# Altium PCB IMX93EVK-SOM_Only-BGA-Fanouts_PrePlaced.PcbDoc (part 1 of 4) (continued)
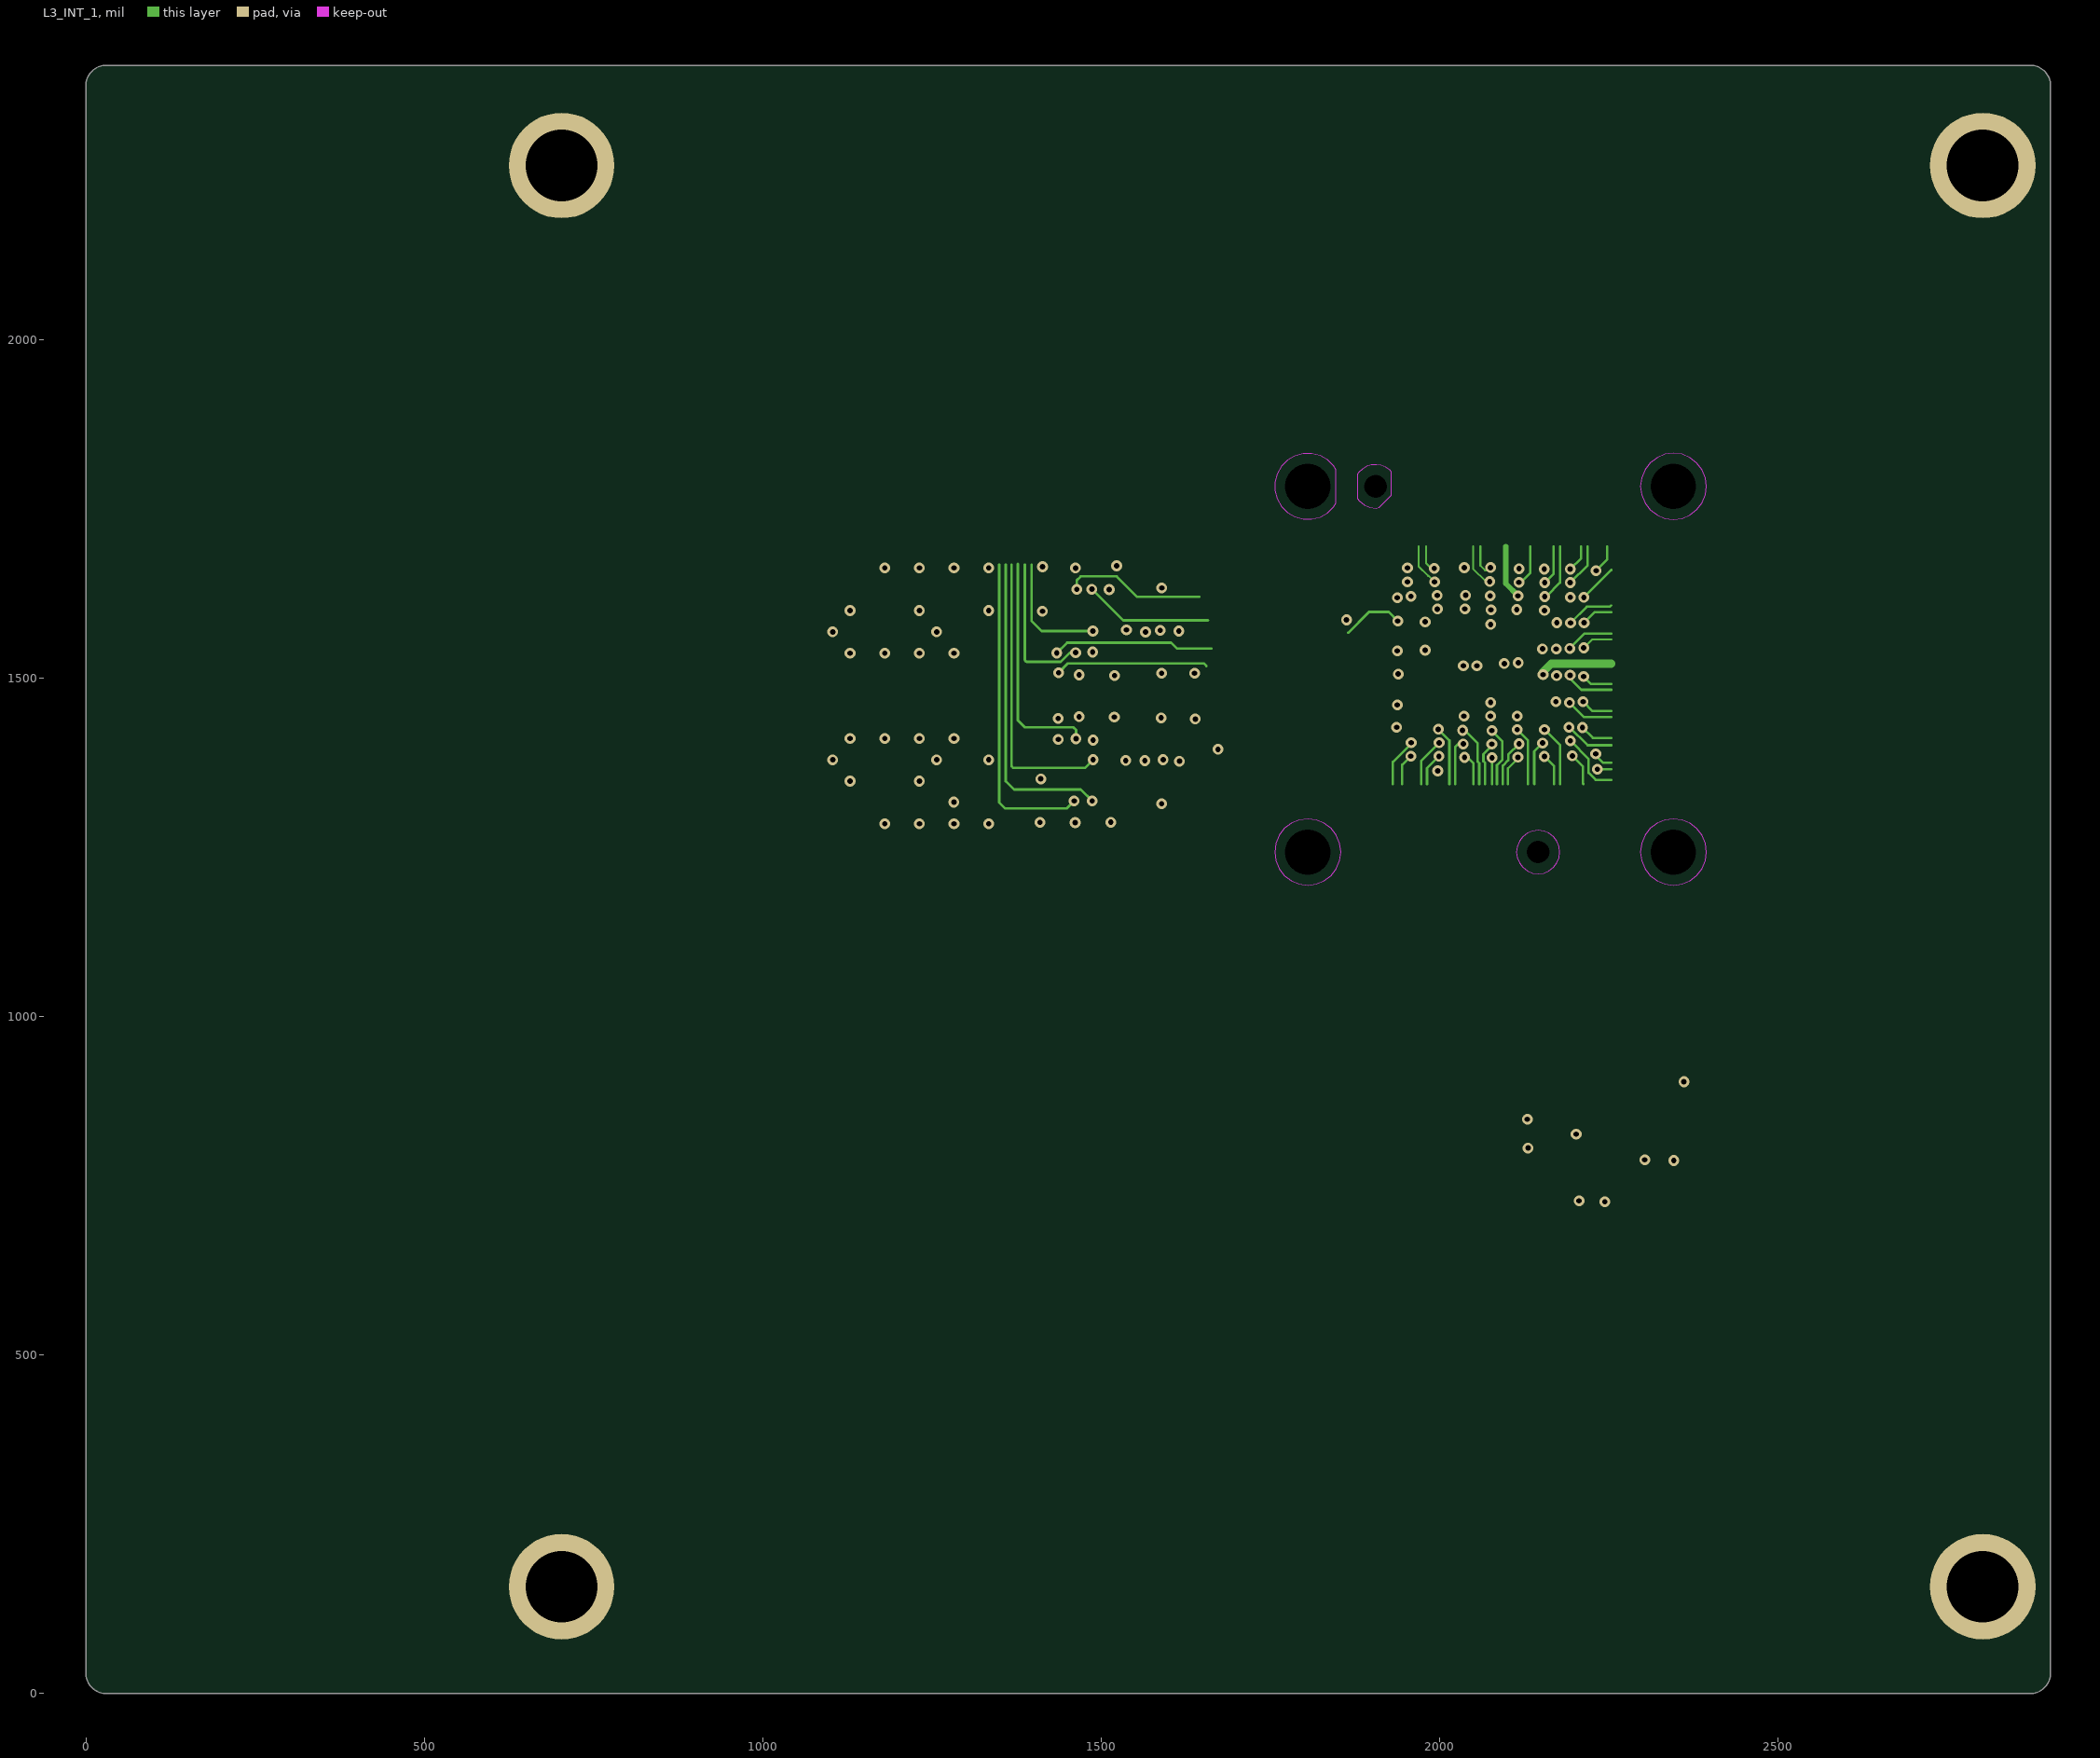
[diagram p3: L3_INT_1]
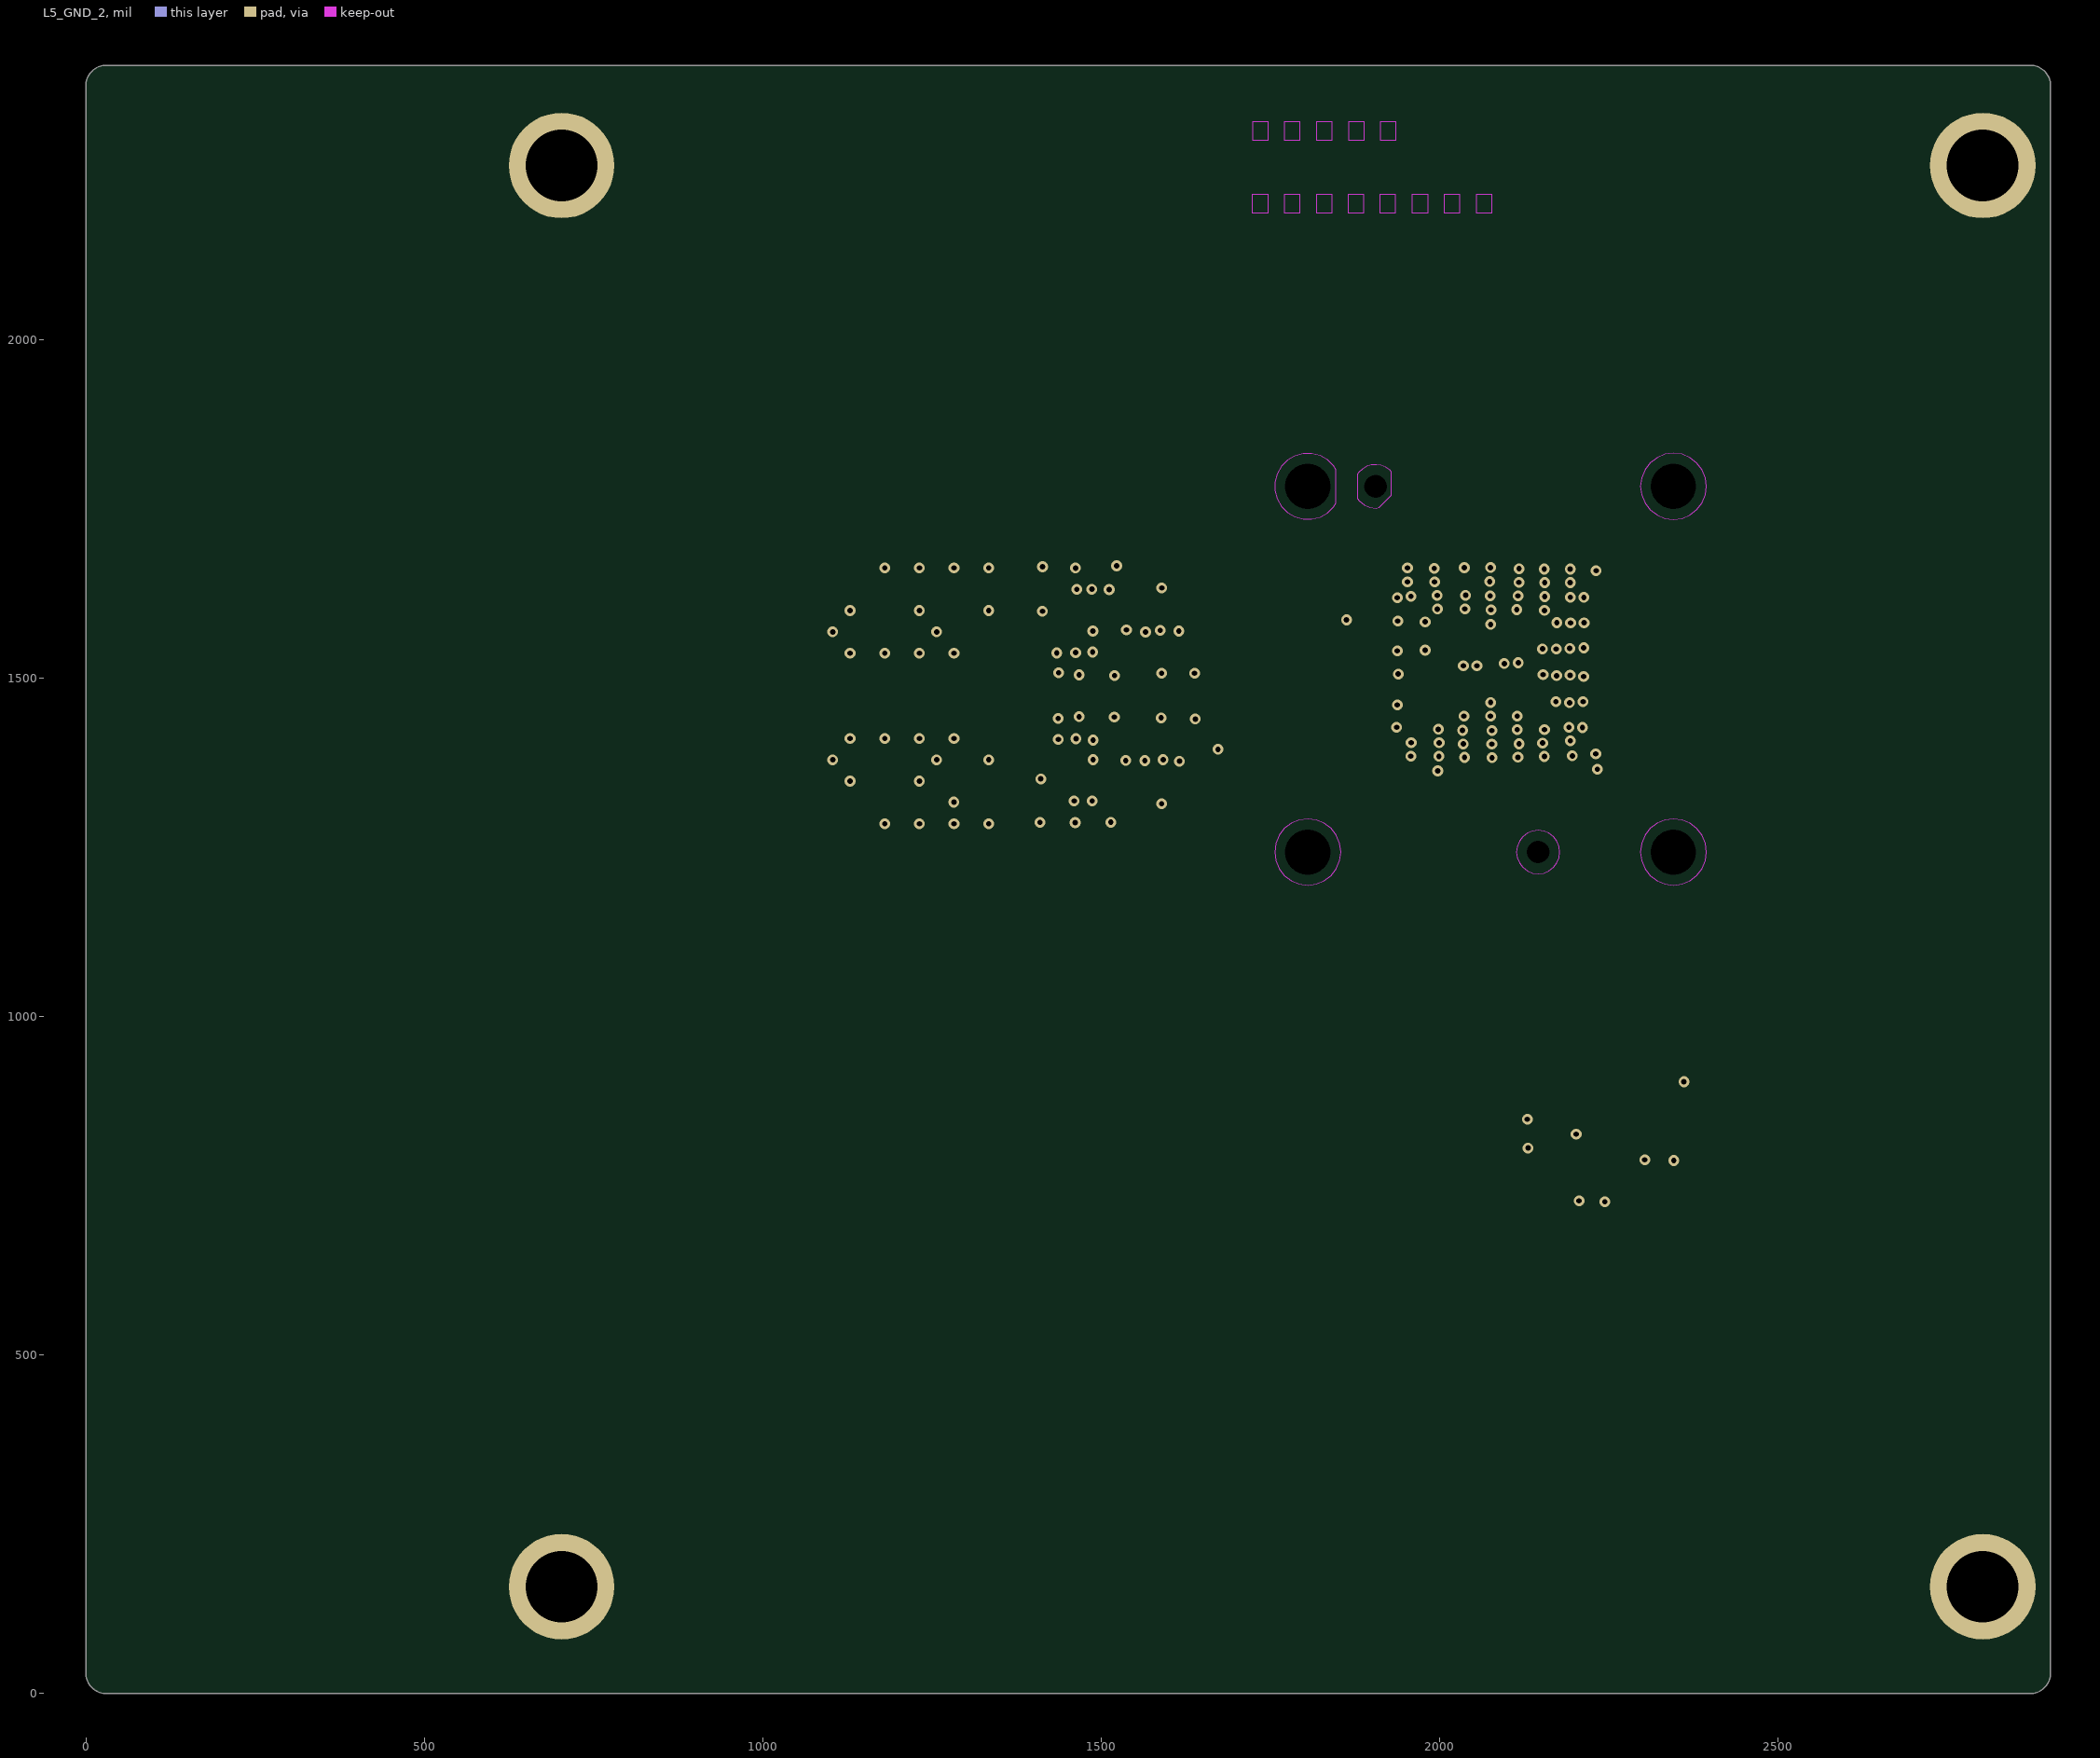
[diagram p4: L5_GND_2]

## Layer stack, top to bottom
Top Solder: solder mask 1, Solder Resist, Dk 3.5
TOP: signal copper 0.472
Dielectric 1: prepreg 2.8, TU768, Dk 3.49
L2_GND_1: signal copper 1.2
Dielectric2: core 3, FR-4, Dk 3.97
L3_INT_1: signal copper 1.2
Dielectric3: prepreg 42.9, TU768, Dk 4.15
L4_PWR: signal copper 1.2
Dielectric4: core 3, FR-4, Dk 3.97
L5_GND_2: signal copper 1.2
Dielectric5: prepreg 2.8, TU768, Dk 3.49
BOTTOM: signal copper 0.472
Bottom Solder: solder mask 1, Solder Resist, Dk 3.5

## Board outline
0,30.51 0,2375.89 cw(c29.95,2375.89) 29.95,2405.84 2873.56,2405.84 cw(c2873.56,2376.35) 2903.05,2376.35 2903.05,30.05 cw(c2873,30.05) 2873,0 30.51,0 cw(c30.51,30.51)

## Design rules (kind name [scope] priority, off if disabled: settings)
Clearance Clearance_Comp_Keepouts [All vs (IsKeepout and InAnyComponent) or (IsKeepout and (OnLayer('L2_GND_1') or OnLayer('L5_GND_2')))] p1: gap=0 ignorepadtopadclearanceinfootprint=TRUE
Clearance Clearance_BGA [WithinRoom('Room_IMX93') or WithinRoom('Room_DDR4_IO') or WithinRoom('Room_EMMC_IO') or TouchesRoom('Room_IMX93') or TouchesRoom('Room_DDR4_IO') vs Not (IsKeepOut and IsComponentPrimitive)] p2: gap=4 ignorepadtopadclearanceinfootprint=FALSE except(3: Arc-Arc Arc-Track Arc-SMDPad Arc-THPad Arc-Via Arc-Fill Arc-Poly Arc-Region Track-Track Track-SMDPad Track-THPad Track-Via Track-Fill Track-Poly Track-Region SMDPad-SMDPad SMDPad-THPad SMDPad-Via SMDPad-Fill SMDPad-Poly SMDPad-Region; 5: Fill-Fill Fill-Poly Fill-Region Poly-Poly Poly-Region Region-Region)
Clearance [All] p3: gap=4 ignorepadtopadclearanceinfootprint=FALSE except(5: Fill-Fill Fill-Poly Fill-Region Poly-Poly Poly-Region Region-Region)
DiffPairsRouting [All] p1: maxlimit=10 minlimit=10 mostfreqgap=10 toplayer_minwidth=15 toplayer_maxwidth=15 toplayer_prefwidth=15 midlayer1_minwidth=15 midlayer1_maxwidth=15 midlayer1_prefwidth=15 midlayer2_minwidth=15 midlayer2_maxwidth=15 midlayer2_prefwidth=15 midlayer3_minwidth=15 midlayer3_maxwidth=15 midlayer3_prefwidth=15 midlayer4_minwidth=15 midlayer4_maxwidth=15 midlayer4_prefwidth=15 bottomlayer_minwidth=15 bottomlayer_maxwidth=15 bottomlayer_prefwidth=15 maxuncoupledlength=500
HoleSize [All] p1: absolutevalues=TRUE maxlimit=125 minlimit=1 maxpercent=80.000 minpercent=20.000
MinimumSolderMaskSliver [All] p1: minsoldermaskwidth=2
NetAntennae [Not IsTestpoint] p1: netantennaetolerance=0
PlaneConnect [All] p1: planeconnectstyle=Direct reliefexpansion=20 reliefentries=4 reliefconductorwidth=10 reliefairgap=10
PolygonConnect [All] p1: connectstyle=Direct reliefconductorwidth=10 reliefentries=4 polygonreliefangle="90 Angle" airgapwidth=10
RoomDefinition Room_DDR4_IO [False] p1: confinementstyle=ConfineIn formatcopy=TRUE lockcomponents=FALSE outline 1059.56,1275.28 1059.56,1694.88 1682.06,1694.88 1682.06,1275.28
RoomDefinition Room_EMMC_IO [False] p2: confinementstyle=ConfineIn formatcopy=TRUE lockcomponents=FALSE outline 2128.29,765.31 2128.29,909.79 2441.77,909.79 2441.77,765.31
RoomDefinition Room_IMX93 [False] p3: confinementstyle=ConfineIn formatcopy=TRUE lockcomponents=FALSE outline 1798.17,1380.05 1815.02,1380.05 1846.29,1348.78 1846.29,1298.1 1914.97,1229.42 2220.57,1229.42 2289.84,1298.69 2313.43,1298.72 2313.43,1755.39 2312.29,1756.53 1846.29,1756.53 1846.29,1693.67 1815.02,1662.4 1815.02,1662.09 1769.59,1616.66 1769.59,1408.63
RoutingVias RoutingVias_TP [IsTestpoint] p1: holewidth=40 width=56 viastyle="Through Hole" minholewidth=8 minwidth=16 maxholewidth=40 maxwidth=60
RoutingVias [All] p2: holewidth=8 width=16 viastyle="Through Hole" minholewidth=8 minwidth=16 maxholewidth=28 maxwidth=50
SilkToSilkClearance [All] p1: silktosilkclearance=2
SilkToSolderMaskClearance [IsPad] p1: minsilkscreentomaskgap=0.1 clearancetoexposedcopper=TRUE
SolderMaskExpansion Untented_TP_Top [(TestpointBottom = 'False') and (TestpointTop = 'True')] p1: expansion=1 istentingtop=FALSE useseparateexpansions=TRUE expansionbottom=1 istentingbottom=TRUE
SolderMaskExpansion Untented_TP_Bottom [(TestpointBottom = 'True') and (TestpointTop = 'False')] p2: expansion=1 istentingtop=TRUE useseparateexpansions=TRUE expansionbottom=1 istentingbottom=FALSE
SolderMaskExpansion SolderMaskExpansion_vias [IsVia] p3: expansion=4 istentingtop=TRUE
SolderMaskExpansion [All] p4: expansion=0 istentingtop=FALSE
Width [All] p1: maxlimit=130 minlimit=2.9 preferedwidth=5
23 further rules are at their usual default settings.

## Classes and differential pairs
differential pair DIFFPAIR55: +USB2_DN -USB2_DP
differential pair DIFFPAIR57: +USB1_TXN -USB1_TXP
differential pair DIFFPAIR58: +USB1_RXN -USB1_RXP
differential pair DIFFPAIR56: +USB1_DN -USB1_DP
differential pair DIFFPAIR59: +LVDS_TX3_N -LVDS_TX3_P
differential pair DIFFPAIR60: +LVDS_TX2_N -LVDS_TX2_P
differential pair DIFFPAIR62: +LVDS_TX1_N -LVDS_TX1_P
differential pair DIFFPAIR63: +LVDS_TX0_N -LVDS_TX0_P
differential pair DIFFPAIR61: +LVDS_CLK_N -LVDS_CLK_P
differential pair DIFFPAIR68: +DSI_D3_N -DSI_D3_P
differential pair DIFFPAIR67: +DSI_D2_N -DSI_D2_P
differential pair DIFFPAIR66: +DSI_D1_N -DSI_D1_P
differential pair DIFFPAIR65: +DSI_D0_N -DSI_D0_P
differential pair DIFFPAIR64: +DSI_CLK_N -DSI_CLK_P
differential pair DIFFPAIR1: +DRAM_SDQS1_C_A -DRAM_SDQS1_T_A
differential pair DIFFPAIR0: +DRAM_SDQS0_C_A -DRAM_SDQS0_T_A
differential pair DIFFPAIR2: +DRAM_CK_C_A -DRAM_CK_T_A
differential pair DIFFPAIR69: +CSI_D1_N -CSI_D1_P
differential pair DIFFPAIR70: +CSI_D0_N -CSI_D0_P
differential pair DIFFPAIR71: +CSI_CLK_N -CSI_CLK_P

## Components (designator, comment, footprint, x,y, rotation, side; value= is the part's Value field where it differs from the comment)
BH801 "FMC MOUNTING HOLE" MH188-106T 2802.96,2257.87 r0 top
BH802 "FMC MOUNTING HOLE" MH188-106T 702.96,2257.87 r0 top
BH803 "FMC MOUNTING HOLE" MH188-106T 702.96,157.87 r0 top
BH804 "FMC MOUNTING HOLE" MH188-106T 2802.96,157.87 r0 top
C101 "1UF" 0201_CC 2097.04,1591.65 r270 bottom
C102 "0.22UF" 0201_CC 2135.81,1593.83 r270 bottom
C106 "1UF" 0201_CC 2097.63,1540.08 r180 bottom
C107 "1UF" 0201_CC 2114.3,1494.22 r270 bottom
C108 "10UF" 0402_CC 2057.45,1485.27 r180 bottom
C109 "1UF" 0201_CC 2055.03,1536.83 r0 bottom
C110 "1UF" 0201_CC 2124.7,1562.15 r0 bottom
C111 "1UF" 0201_CC 2082,1561.12 r0 bottom
C114 "1UF" 0201_CC 2094.86,1494.32 r270 bottom
C116 "1UF" 0201_CC 2008.67,1343.55 r0 bottom
C117 "1UF" 0201_CC 2096.88,1452.74 r90 bottom
C118 "1UF" 0201_CC 2251.94,1455.35 r90 bottom
C119 "1UF" 0201_CC 2254.12,1501.61 r90 bottom
C124 "10UF" 0402_CC 2031.41,1561.28 r180 bottom
C129 "1UF" 0201_CC 2188.32,1346.8 r0 bottom
C130 "1UF" 0201_CC 2182.3,1562.5 r0 bottom
C131 "1UF" 0201_CC 2133.27,1451.47 r90 bottom
C132 "1UF" 0201_CC 2014.48,1603.15 r270 bottom
C134 "1UF" 0201_CC 2056.4,1603.44 r270 bottom
C135 "1UF" 0201_CC 2169.34,1525.06 r0 bottom
C136 "10UF" 0402_CC 1961.97,1484.06 r180 bottom
C137 "1UF" 0201_CC 2017.23,1454.99 r90 bottom
C138 "1UF" 0201_CC 2009.96,1485.74 r0 bottom
C139 "1UF" 0201_CC 1964.91,1445.3 r180 bottom
C140 "1UF" 0201_CC 2006.46,1522.56 r0 bottom
C141 "1UF" 0201_CC 1976.46,1412.81 r270 bottom
C142 "22UF" CC0603 455.86,359.84 r90 top
C143 "22UF" CC0603 397.33,360.14 r90 top
C144 "1UF" 0201_CC 1973.42,1646.6 r90 bottom
C145 "1UF" 0201_CC 2146.61,1485.9 r180 bottom
C146 "1UF" 0201_CC 2055.51,1442.66 r90 bottom
C147 "1UF" 0201_CC 2014.48,1647.09 r90 bottom
C148 "1UF" 0201_CC 2194.94,1600.71 r0 bottom
C149 "1UF" 0201_CC 2212.84,1649.67 r90 bottom
C151 "10UF" 0402_CC 1961.85,1562.76 r180 bottom
C152 "1UF" 0201_CC 1965.79,1602.08 r180 bottom
C153 "1UF" 0201_CC 1271.41,1223.43 r90 top
C154 "1UF" 0201_CC 1963.45,1525.06 r180 bottom
C155 "1UF" 0201_CC 2063.72,1707.32 r180 bottom
C156 "1UF" 0201_CC 1927.15,1405.69 r180 bottom
C201 "10UF" 0402_CC 1245.51,1694.02 r0 bottom
C202 "10UF" 0402_CC 1498.36,1263.51 r180 bottom
C203 "1UF" 0201_CC 1461.75,1392.58 r180 bottom
C204 "1UF" 0201_CC 1544.79,1650.61 r0 bottom
C205 "1UF" 0201_CC 1510.08,1541.32 r90 bottom
C206 "10UF" 0402_CC 1423.05,1264.33 r0 bottom
C207 "10UF" 0402_CC 1319.5,1693.39 r180 bottom
C208 "1UF" 0201_CC 1510.39,1425.87 r180 bottom
C209 "1UF" 0201_CC 1276.46,1360.91 r270 bottom
C210 "1UF" 0201_CC 1270.76,1516.94 r180 bottom
C211 "1UF" 0201_CC 1442.01,1632.7 r270 bottom
C212 "1UF" 0201_CC 1321.76,1267.24 r180 bottom
C213 "1UF" 0201_CC 1269.88,1429.76 r180 bottom
C214 "1UF" 0201_CC 1504.52,1484.94 r180 bottom
C215 "10UF" 0402_CC 1163.57,1689.42 r180 bottom
C216 "1UF" 0201_CC 1608.49,1646.05 r90 bottom
C217 "1UF" 0201_CC 1603.62,1488.87 r0 bottom
C218 "1UF" 0201_CC 1642.95,1366.12 r0 bottom
C219 "1UF" 0201_CC 1116.32,1621.92 r180 bottom
C220 "1UF" 0201_CC 1168.09,1431.2 r180 bottom
C221 "1UF" 0201_CC 1523.98,1591.72 r180 bottom
C222 "1UF" 0201_CC 1168.71,1265.81 r180 bottom
C401 "18PF" 0201_CC 2500.94,2151.47 r0 top
C402 "18PF" 0201_CC 2454.74,2150.92 r180 top
C403 "12PF" 0201_CC 2613.33,1950.32 r90 top
C404 "12PF" 0201_CC 2613.11,1829.39 r270 top
C405 "0.1UF" 0402_CC 2155.37,2094.96 r270 bottom
C501 "4.7UF" CC0402_TOL0P15 2253.73,752.27 r0 bottom
C502 "0.22UF" 0201_CC 2293.75,806.33 r180 bottom
C503 "0.22UF" 0201_CC 2186,738.78 r90 bottom
C504 "10UF" 0402_CC 2382.41,787.6 r0 bottom
C505 "0.22UF" 0201_CC 2149.42,836.16 r270 bottom
C506 "0.22UF" 0201_CC 2149.11,794.53 r270 bottom
C507 "0.22UF" 0201_CC 2218.31,845.33 r0 bottom
C508 "0.22UF" 0201_CC 2351.83,930.24 r90 bottom
C509 "1UF" 0201_CC 2377.64,930.19 r90 bottom
C701 "10UF" CC0603 1091.51,428.72 r270 bottom
C702 "10UF" CC0603 1032.8,428.73 r270 bottom
C703 "22UF" CC0603 1241.49,933.02 r180 top
C704 "1UF" 0402_CC 980.67,394.72 r90 bottom
C705 "22UF" CC0603 1242.23,872.92 r180 top
C706 "1UF" 0402_CC 1004.6,559.22 r0 bottom
C707 "22UF" CC0603 1553.51,561.62 r0 top
C708 "22UF" CC0603 1553.51,625.62 r0 top
C709 "10UF" CC0603 1242.93,541.47 r0 bottom
C710 "22UF" CC0603 1552.92,341.36 r0 top
C711 "22UF" CC0603 1552.92,405.36 r0 top
C712 "10UF" CC0603 1243.73,481.83 r0 bottom
C713 "10UF" CC0603 1195.38,643.78 r90 bottom
C714 "22UF" CC0603 1117.21,187 r180 top
C715 "22UF" CC0603 1117.31,127.84 r180 top
C716 "18PF" 0201_CC 905.59,464.02 r90 top
C717 "18PF" 0201_CC 905.53,366.44 r270 top
C718 "10UF" CC0603 1137.51,643.51 r90 bottom
C719 "22UF" CC0603 974.99,126.16 r0 top
C720 "22UF" CC0603 976.19,190.56 r0 top
C721 "10UF" CC0603 1079.09,643.32 r90 bottom
C722 "22UF" CC0603 1080.79,871.66 r0 top
C723 "22UF" CC0603 1080.29,934.76 r0 top
C724 "1UF" 0402_CC 1143.54,403.02 r270 bottom
C725 "4.7UF" CC0402_TOL0P15 1189.12,404.81 r90 bottom
C726 "10UF" CC0603 1019.77,641.86 r270 bottom
C727 "1UF" 0201_CC 914.17,605.53 r180 top
C728 "1UF" 0201_CC 914.1,642.04 r180 top
C729 "4.7UF" CC0402_TOL0P15 985.94,756.31 r90 top
C730 "4.7UF" CC0402_TOL0P15 917.63,690.12 r180 top
C731 "4.7UF" CC0402_TOL0P15 927.09,755.39 r90 top
C801 "10UF" CC0603 2559.43,437.19 r180 top
C802 "10UF" CC0603 2560.1,323.3 r180 top
C803 "22UF" CC0603 2732.1,923.6 r270 top
C804 "1UF" 0201_CC 2739.29,1059.45 r90 top
C805 "22UF" CC0603 2443.41,437.12 r0 top
C806 "1UF" 0201_CC 2587.79,1052.54 r90 top
C807 "4.7UF" CC0402_TOL0P15 2628.06,1081.33 r270 top
C808 "1UF" 0201_CC 2624.35,1252.72 r180 top
C809 "1UF" 0201_CC 2118.86,2143.83 r270 bottom
C901 "1.0UF" 0402_CC 1788.03,188.91 r270 top
C902 "0.01UF" CC0402_25 386.05,1628.9 r90 top
C903 "1.0UF" 0402_CC 211.63,1784.2 r90 top
C904 "0.1UF" 0402_CC 86.29,1604.95 r180 top
C905 "0.01UF" CC0402_25 292.09,675.31 r180 top
C906 "0.1UF" 0402_CC 1744.22,188.78 r270 top
C907 "0.01UF" CC0402_25 274.15,1460.03 r180 top
C908 "0.01UF" CC0402_25 385.04,1549.13 r270 top
C909 "1.0UF" 0402_CC 601.27,776.71 r90 top
C910 "0.01UF" CC0402_25 377.03,2139.52 r90 top
C911 "1.0UF" 0402_CC 207.08,2291.26 r90 top
C912 "0.1UF" 0402_CC 643.87,777.35 r90 top
C913 "0.1UF" 0402_CC 94.33,2120.27 r180 top
C914 "4.7UF" CC0402_TOL0P15 2324.98,196.57 r180 top
C915 "4.7UF" CC0402_TOL0P15 1310.87,2143.53 r0 top
C916 "0.1UF" 0402_CC 1309.27,2222.59 r0 top
C917 "0.01UF" CC0402_25 272.01,2241.34 r180 top
C918 "1UF" 0402_CC 2561.57,251.06 r270 top
C919 "0.22UF" 0201_CC 2329.68,265.96 r180 top
C920 "0.01UF" CC0402_25 269.29,1958.68 r180 top
C921 "0.01UF" CC0402_25 376.76,2058.29 r270 top
C922 "1.0UF" 0402_CC 1696.14,585.21 r270 top
C923 "0.1UF" 0402_CC 1739.74,585.65 r270 top
C924 "0.01UF" CC0402_25 906.08,1621.02 r90 top
C925 "1.0UF" 0402_CC 594.95,1600.05 r180 top
C926 "0.1UF" 0402_CC 721.22,1763.38 r90 top
C927 "0.01UF" CC0402_25 790.6,1711.69 r180 top
C928 "1.0UF" 0402_CC 1007.91,2153.95 r90 top
C929 "0.1UF" 0402_CC 959.04,2153.95 r90 top
C930 "1.0UF" 0402_CC 688.75,981.61 r270 top
C931 "0.1UF" 0402_CC 731.53,981.65 r270 top
C932 "0.01UF" CC0402_25 784.99,1445.67 r180 top
C933 "0.01UF" CC0402_25 278.09,429.92 r180 top
C934 "1.0UF" 0402_CC 221.6,1268.36 r90 top
C935 "0.1UF" 0402_CC 1459.98,957.99 r270 top
C936 "0.01UF" CC0402_25 393.81,1127.63 r90 top
C937 "0.1UF" 0402_CC 104.36,1096.09 r180 top
C938 "1.0UF" 0402_CC 1416.48,958.03 r270 top
C939 "0.01UF" CC0402_25 285.3,1214.64 r180 top
C940 "0.01UF" CC0402_25 279.66,958.51 r180 top
C941 "0.01UF" CC0402_25 394.21,1045.71 r270 top
C942 "0.1UF" 0402_CC 1468.23,2029.66 r0 top
C943 "1.0UF" 0402_CC 90.49,373.56 r90 top
C944 "0.22UF" 0201_CC 128.99,374.47 r90 top
C945 "0.01UF" CC0402_25 400,584.58 r90 top
C946 "1.0UF" 0402_CC 228.42,725.52 r90 top
C947 "0.1UF" 0402_CC 107.2,563.74 r180 top
C948 "0.01UF" CC0402_25 282,1724.63 r180 top
C949 "0.01UF" CC0402_25 906.87,1541.82 r270 top
C950 "0.01UF" CC0402_25 400.28,503.74 r270 top
C951 "220PF" 0402_CC 629.47,713.02 r180 top
C952 "220PF" 0402_CC 1708.2,640.69 r180 top
C953 "220PF" 0402_CC 688.61,1036.22 r180 top
C954 "220PF" 0402_CC 1437.09,1013.65 r0 top
D601 "LED GREEN" LED_0603 2733.25,757.69 r90 top
D901 "PMEG2010EJ" SOD323 2208.29,233.69 r270 top
D902 "PMEG2010EJ" SOD323 2041.65,233.67 r90 top
D903 "PMEG2010EJ" SOD323 893.99,2288.35 r180 top
D904 "PMEG2010EJ" SOD323 1027.96,2288.35 r180 top
J801 "CON 2X40" CON80_0P4_17P7X2P05_SM 2291.23,381.46 r0 bottom
J802 "CON 2X40" CON80_0P4_17P7X2P05_SM 2018.84,2255.05 r180 bottom
J803 "DF40C-100DP-0.4V(51)" CON100_0P4_21P7X2P05_SM 2683.7,1324.58 r90 bottom
J901 "CON 2X6" CON12_0P4_4P12X2P05_SM 1293.52,2183.37 r90 bottom
L102 "120 Ohm" IND_0603 552.75,190.32 r180 top
L701 "0.47UH" IND_SPH2520 1246.9,784.93 r0 top
L702 "0.47UH" IND_SPH2520 1403,593.29 r0 top
L703 "0.47UH" IND_SPH2520 1402.05,454.35 r0 top
L704 "0.47UH" IND_SPH2520 1133.01,274.53 r0 top
L705 "0.47UH" IND_2016A 973.9,276.24 r180 top
L706 "0.47UH" IND_2016A 1086.61,784.07 r180 top
MG1 "Do Not Trash" DoNotTrash_250Mil 558,1526 r180 bottom
Q901 "NX3008NBKW,115" SC70_3 1132.94,2299.31 r0 top
QZ401 "32.768KHZ" XTAL2-3P2X1P5-SM 2476.33,2082.67 r0 top
QZ701 "32.768KHZ" XTAL2-3P2X1P5-SM 833.38,420.75 r90 top
R101 "0" 0402_CC 778.36,637.62 r270 top
R102 "0" RC0805_OV 1558.05,722.2 r90 top
R103 "0" 0603_CC 763.01,764.38 r180 top
R104 "0" 0603_CC 457.58,211.33 r90 top
R105 "0" 0402_CC 1324.73,108.92 r90 top
R106 "0" 0402_CC 564.09,317.62 r0 top
R107 "0" 0402_CC 1479.77,114.32 r270 top
R108 "0" 0402_CC 903.44,879.51 r0 top
R109 "0" 0603_CC 870,1097.08 r270 top
R110 "0" 0603_CC 1308.26,1083.78 r270 top
R111 "0" 0603_CC 508.74,115.37 r180 top
R112 "0" 0402_CC 2724.18,1016.34 r180 top
R113 "0" 0402_CC 2640.82,1016.14 r0 top
R201 "10K" 0402_CC 1318.8,1326.23 r0 bottom
R202 "0" 0603_CC 666.39,376.55 r180 top
R203 "0" 0603_CC 958.68,1096.7 r90 top
R204 "120" 0402_CC 1905.57,1710.21 r180 bottom
R205 "150" 0402_CC 1408.56,1424.08 r270 bottom
R206 "0" 0603_CC 1211.23,1082.48 r90 top
R207 "10K" 0402_CC 1421.15,1562.41 r0 bottom
R208 "10K" 0402_CC 1421.58,1486.62 r0 bottom
R209 "240 OHM" 0201_CC 1645.91,1532.71 r0 bottom
R210 "0" 0402_CC 1486,1687.46 r0 bottom
R301 "0" 0201_CC 2043.7,2336.66 r0 top
R302 "200" 0201_CC 2057.1,1671.95 r270 bottom
R303 "200" 0201_CC 2135.89,1675.74 r90 bottom
R304 "0" 0201_CC 2146.92,2361.58 r270 bottom
R305 "200" 0201_CC 2175.22,1666.78 r90 bottom
R306 "4.7K" 0402_CC 2780.77,1855.96 r270 top
R307 "4.7K" 0402_CC 2823.11,1856.75 r270 top
R308 "4.7K" 0402_CC 2732.32,1855.75 r270 top
R309 "4.7K" 0402_CC 2690.47,1855.76 r270 top
R310 "10K" 0402_CC 2576.12,1165.57 r180 top
R311 "10K" 0402_CC 2593.64,1223.36 r180 top
R312 "4.7K" 0402_CC 2355.1,1113.62 r180 top
R401 "100K" 0402_CC 2241.26,2095.39 r90 bottom
R403 "10K" 0402_CC 2013.28,362.38 r270 top
R404 "100K" 0402_CC 2198.54,2095.07 r90 bottom
R405 "100K" 0402_CC 2303.73,2094.76 r90 bottom
R406 "0" 0201_CC 2154.44,2144.09 r270 bottom
R411 "0" 0201_CC 2514.69,2003.59 r270 top
R412 "0" 0201_CC 2487.8,2003.67 r90 top
R413 "4.7M" RC0402_25 2429.64,2007.75 r180 top
R414 "510K" 0402_CC 2613.18,1892.69 r270 top
R415 "100K" 0402_CC 2238.2,2200.72 r90 top
R416 "100K" 0402_CC 2288.47,2203.45 r90 top
R417 "100K" 0402_CC 2526.65,2220.64 r180 top
R418 "100K" 0402_CC 2440.72,2219.95 r0 top
R501 "10K" 0402_CC 2284.42,1024.33 r0 top
R502 "10K" 0402_CC 2149.46,1080.83 r180 top
R601 "4.7K" 0402_CC 2482.26,1733.29 r270 top
R602 "10K" 0402_CC 2626.38,1733.52 r270 top
R603 "4.7K" 0402_CC 2730.83,1699.46 r270 top
R604 "4.7K" 0402_CC 2773.69,1700.22 r270 top
R605 "1.0K" 0402_CC 2674.32,742.34 r270 top
R609 "100K" 0402_CC 2526.37,1733 r90 top
R610 "100K" 0402_CC 2584.13,1732.91 r90 top
R611 "100K" 0402_CC 2687.96,1699.21 r90 top
R612 "100K" 0402_CC 2815.21,1700.53 r90 top
R613 "30K" 0402_CC 2045.69,2306.15 r0 top
R614 "52.3K" 0201_CC 2148.23,2351.33 r270 top
R701 "0" 0402_CC 1419.05,670.32 r180 top
R702 "0" 0603_CC 1067.55,995.96 r0 top